# KiCad board sizif512ext.kicad_pcb (continued)
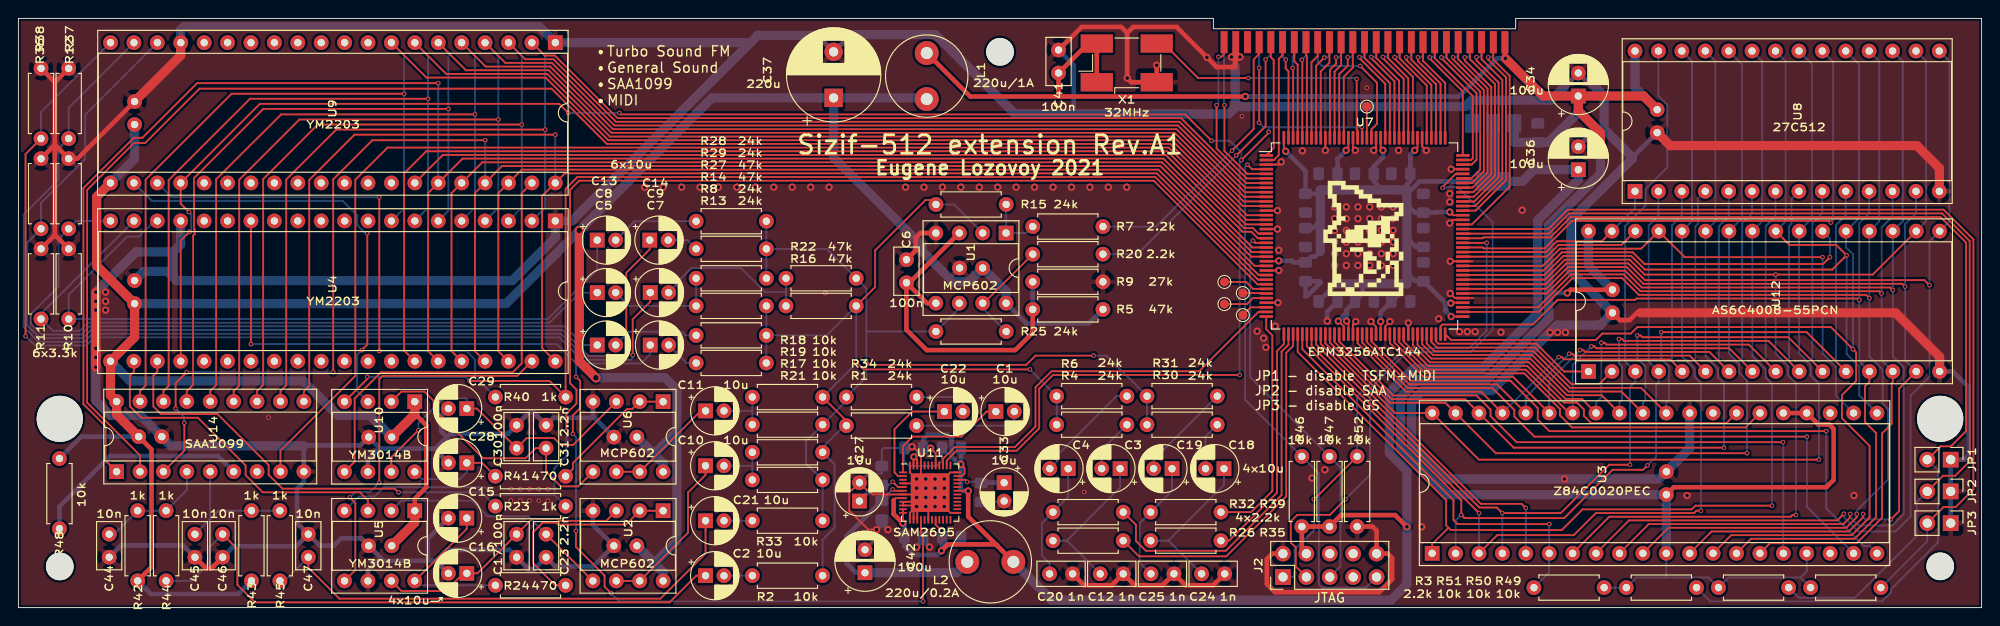
[diagram p0: board, top side]
## Routing (per net, layer and track width the routed paths; a pad name or vN(x,y) marks a point on that pad's centre or on a via; arc(x,y) is an arc through that point) (continued)
/GCH0: length 18.3
  Bottom w0.2: C12.1 113.78,7.27 R26.1 113.75,7.27 119.53,13.05 C3.1
/GCH1: length 12.9
  Bottom w0.2: C4.1 113.9,12.02 R32.1 111.05,9.17 111.05,5.63 111.88,4.8 C20.1
/GCH2: length 19.2
  Bottom w0.2: C24.1 124.78,7.27 R35.1 124.75,7.27 130.8,13.32 C18.1
/GCH3: length 13.4
  Bottom w0.2: C19.1 125.17,12.69 R39.1 121.65,9.17 121.65,4.9 C25.1
/GCLK: length 45.2
  Top w0.2: U7.41 139.3,28.07 155.7,11.67 155.7,9.52 156.15,9.07 v2(166.1,9.07)
  Bottom w0.2: R3.2 166.09,3.83 U3.6 166.09,9.06 v2(166.1,9.07)
/GD0: length 101.8
  Top w0.2: U3.14 187.98,7.47 199.22,7.47 201.55,9.8 201.55,18.97 200.35,20.17 200.35,24.04 200.83,24.52 U12.13 ; U7.71 154.3,30.55 154.5,30.75 164.33,30.75 167,33.42 175.39,33.42 175.53,33.57 199.56,33.57 v2(199.73,33.4)
  Bottom w0.2: U8.11 200.8,42.83 199.73,41.76 v2(199.73,33.4) ; U12.13 199.73,26.75 v2(199.73,33.4) ; v2(199.73,33.4) 199.73,32.98
/GD1: length 99.6
  Top w0.2: U12.14 203.37,24.52 203.25,24.4 203.25,19.97 202.2,18.92 202.2,9.75 199.44,7 190.05,7 U3.15 ; U7.75 164.88,32.62 168.45,36.19 174.16,36.19 175.98,34.37 201.9,34.37 v2(202.15,34.12)
  Bottom w0.2: U12.14 202.15,26.87 v2(202.15,34.12) 202.15,41.3 203.34,42.49 U8.12
/GD2: length 111.9
  Top w0.2: U7.79 165.75,34.62 168.12,36.99 174.49,36.99 176.31,35.17 204.4,35.17 v2(204.7,34.87) ; v2(203.15,9.57) 204.05,10.47 204.05,23.79 U12.15 ; v2(200.15,10.17) 200.15,9.82 198.6,8.27 183.7,8.27 U3.12
  Bottom w0.2: v2(200.15,10.17) 200.15,9.82 200.4,9.57 v2(203.15,9.57) ; U12.15 204.7,26.86 v2(204.7,34.87) 204.7,41.65 205.88,42.83 U8.13
/GD3: length 142.9
  Top w0.2: v2(207.35,35.02) 206.8,35.57 176.48,35.57 174.66,37.39 167.96,37.39 165.69,35.12 U7.80 ; U3.8 174.74,9.47 197.33,9.47 v2(198.05,10.19)
  Bottom w0.2: U8.15 209.52,59.36 209.52,41.96 U12.17 207.35,39.79 v2(207.35,35.02) 207.35,25.07 205.3,23.02 205.3,9.92 203.65,8.27 199.61,8.27 198.05,9.83 v2(198.05,10.19)
/GD4: length 126.2
  Top w0.2: v2(192.85,10.07) 192.5,10.07 192.3,9.87 172.6,9.87 U3.7 ; U7.81 165.62,35.62 167.79,37.79 174.82,37.79 176.44,36.17 v2(190.65,36.17) 201.19,36.17 U12.18
  Bottom w0.2: U12.18 206.98,41.96 206.98,59.36 U8.16 ; v2(192.85,10.07) 192.85,24.38 192,25.23 192,26.29 190.65,27.64 v2(190.65,36.17)
/GD5: length 134.3
  Top w0.2: v2(203.37,34.49) 203.09,34.77 176.15,34.77 174.33,36.59 168.29,36.59 165.82,34.12 U7.78 ; v2(198.75,10.17) 198.75,9.82 198,9.07 176.88,9.07 U3.9
  Bottom w0.2: v2(198.75,10.17) 198.75,9.82 199.65,8.92 203.31,8.92 204.55,10.16 204.55,26.1 203.37,27.28 v2(203.37,34.49) U12.19 204.44,41.96 204.44,59.36 U8.17
/GD6: length 125.1
  Top w0.2: U3.10 179.02,8.67 198.3,8.67 199.45,9.82 v2(199.45,10.17) ; U7.74 164.95,32.12 168.62,35.79 174,35.79 175.82,33.97 200.48,33.97 v2(200.83,33.62)
  Bottom w0.2: U8.18 201.9,59.36 201.9,41.96 U12.20 v2(200.83,33.62) 200.83,33.27 200.83,27.28 202.27,25.84 202.27,22.14 202.85,21.56 202.85,13.92 199.45,10.52 v2(199.45,10.17)
/GD7: length 118.9
  Top w0.2: U7.72 155.44,29.07 171.15,29.07 171.85,29.77 174.95,29.77 175.65,30.47 196.65,30.47 v2(199.05,28.07) 199.39,27.73 199.39,24.63 197.85,23.09 197.85,20.57 200.85,17.57 200.85,9.8 198.92,7.87 185.84,7.87 U3.13
  Bottom w0.2: U8.19 199.7,59.02 199.7,42.3 U12.21 198.29,39.14 199.05,38.38 v2(199.05,28.07)
/GDAC0: length 39
  Top w0.2: R26.2 121.57,5.57 131.05,5.57 137.55,12.07 137.55,27.67 138.3,28.42 U7.39
/GDAC1: length 40.2
  Top w0.2: U7.38 137.8,28.56 137.05,27.81 137.05,12.22 131,6.17 122.32,6.17 121.25,7.24 121.25,8.99 R32.2
/GDAC2: length 25.8
  Top w0.2: U7.37 137.3,28.62 136.55,27.87 136.55,12.47 131.35,7.27 R35.2
/GDAC3: length 25.8
  Top w0.2: R39.2 133.75,10.37 136.05,12.67 136.05,29.57 135.39,30.23 U7.36
/GMA15: length 22.5
  Top w0.2: U7.87 165.75,38.62 166.92,39.79 171.79,39.79 U12.31
  Bottom w0.2: U8.1 175.4,43.4 U12.31
/GMA16: length 22.9
  Top w0.2: U7.69 153.3,28.85 153.91,28.25 164.54,28.25 168.52,24.27 171.51,24.27 U12.2
/GMA17: length 18.7
  Top w0.2: U12.1 167.7,25.65 164.68,28.67 154.05,28.67 153.8,28.92 U7.70
/GMA18: length 19.9
  Top w0.2: U12.30 173.93,39.39 167.09,39.39 165.82,38.12 157.55,38.12 U7.86
/MIDI_CLK: length 44.9
  Top w0.2: U11.39 100.32,16.17 101.59,17.44 108.12,17.44 110.35,19.67 110.35,23.94 112.08,25.67 128.1,25.67 134.55,32.12 U7.35
/MIDI_IN: length 119.9
  Top w0.2: v2(60.15,18.87) 60.15,20.87 60.95,21.67 60.95,24.62 v2(60.5,25.07) ; U11.16 97.92,8.14 98.15,7.91 v2(98.15,0.67) ; v2(60.49,8.33) 60.49,6.59 63.6,3.48 63.6,2.27 v2(64.3,1.57) ; U4.14 25.23,28.63 v2(25.23,28.62)
  Bottom w0.2: v2(60.49,8.33) 60.49,18.53 v2(60.15,18.87) ; v2(25.23,28.62) 58.4,28.62 60.5,26.52 v2(60.5,25.07) ; v2(64.3,1.57) 65.2,0.67 v2(98.15,0.67)
/MIDI_L: length 14.5
  Top w0.2: C1.1 105.05,21.3 102.33,18.57 97.01,18.57 95.97,17.53 U11.1
/MIDI_R: length 12
  Top w0.2: U11.2 95.44,14.29 95.05,14.68 95.05,19.37 96.97,21.3 C22.1
/MIX_L: length 30.4
  Top w0.2: J1.44 134.62,60.14 134.03,59.55 134.03,51.99 v2(131.67,49.63)
  Bottom w0.2: v2(131.67,49.63) 123.42,41.39 R7.1
/MIX_R: length 32.8
  Top w0.2: v2(132.14,49.11) 135.32,52.3 v2(135.32,59.54)
  Bottom w0.2: v2(132.14,49.11) 121.41,38.39 R20.1 ; J1.41 135.89,60.11 v2(135.32,59.54)
/SAA_CLK: length 138.8
  Top w0.2: U14.8 28.43,17.05 36.55,25.17 36.55,46.47 40.05,49.97 124.81,49.97 133.16,41.62 U7.16
/SAA_L: length 68.2
  Top w0.2: C2.1 73.55,3.47 70.65,0.57 25.65,0.57 23.75,2.47 23.75,6.37 C46.1
  Bottom w0.2: C46.1 20.6,6.42 20.6,4.72 18.79,2.91 R44.2
/SAA_R: length 55.4
  Top w0.2: C47.1 31.45,4.34 34.82,0.97 69.65,0.97 74.55,5.87 C21.1
  Bottom w0.2: C47.1 28.89,2.91 R45.2
/TCK: length 52.7
  Top w0.2: R52.1 140.6,11.77 v2(140.55,11.77) ; U7.89 v2(159.3,39.62)
  Bottom w0.2: v2(140.55,11.77) 140.55,8.37 138.45,6.27 138.45,3.52 138.25,3.32 J2.1 ; v2(159.3,39.62) 159.3,30.09 157.38,28.17 150.48,28.17 145.25,22.94 R52.1
/TDI: length 58.1
  Top w0.2: v2(133.35,48.11) 133.84,47.62 U7.4
  Bottom w0.2: v2(133.35,48.11) 133.1,47.86 133.1,22.57 R46.1 141.1,14.57 141.1,2.52 141.45,2.17 146.21,2.17 J2.9
/TDO: length 64.4
  Top w0.2: v2(143.98,11.77) 142.28,10.07 138.75,10.07 138.05,9.37 138.05,7.07 138.59,6.53 138.59,4.47 J2.3 ; U7.104 155.94,47.12 154.51,45.69 v2(154.51,45.6)
  Bottom w0.2: v2(154.51,45.6) 154.89,45.6 154.96,45.67 156.15,45.67 159.95,41.87 159.95,30.17 157.55,27.77 150.65,27.77 146.65,23.77 146.65,14.44 v2(143.98,11.77)
/TMS: length 42.7
  Top w0.2: v2(133.95,39.87) 134.2,39.62 U7.20
  Bottom w0.2: J2.5 143.43,4.47 143.43,15.24 R47.1 133.65,25.02 133.65,39.57 v2(133.95,39.87)
/YM_M: length 107.4
  Top w0.2: U7.25 134.13,37.12 123.68,47.57 54.61,47.57 U9.38 52.07,45.03 52.07,27.86 U4.38
/~{ARD}: length 112.5
  Top w0.2: U4.36 46.99,27.86 46.99,45.03 U9.36 50.33,48.37 124.07,48.37 133.82,38.62 U7.22
/~{AWR}: length 201.6
  Top w0.2: v2(45.55,56.97) 19.38,56.97 13.45,51.04 12.52,51.04 7.05,45.57 7.05,22.1 9.45,19.7 9.45,15.97 U14.1 ; U7.21 133.88,39.12 124.23,48.77 48.19,48.77 U9.35 44.45,45.03 44.45,27.86 U4.35
  Bottom w0.2: U9.35 v2(45.55,56.97)
/~{BUSACK}: length 23.2
  Top w0.2: J1.4 160.02,59.54 161.8,57.76 161.8,45.72 157.7,41.62 U7.93
/~{BUSRQ}: length 21.3
  Top w0.2: U7.97 158.03,43.62 161,46.59 161,57.32 158.75,59.57 J1.6
/~{GINT}: length 66
  Top w0.2: U7.49 143.3,28.91 149.17,23.05 158.19,23.05 159.72,21.51 159.72,20.79 162.55,17.97 v2(191.45,17.97)
  Bottom w0.2: v2(191.45,17.97) 191.49,17.93 U3.16
/~{GIORQ}: length 70.8
  Top w0.2: v2(196.15,19.17) 166.1,19.17 164.85,20.42 164.85,21.67 161.87,24.65 151.07,24.65 146.8,28.92 U7.56
  Bottom w0.2: U3.20 200.85,6.69 200.23,6.69 196.15,10.77 v2(196.15,19.17)
/~{GM1}: length 41.4
  Top w0.2: U7.63 150.3,28.92 152.97,26.25 163.71,26.25 167.69,22.27 169.1,22.27 169.85,21.52 169.85,20.83 170.64,20.03 185.31,20.03 U3.27
/~{GMREQ}: length 68.6
  Top w0.2: U7.54 145.8,28.79 150.74,23.85 159.93,23.85 162.3,21.47 162.3,20.76 164.49,18.57 v2(194.05,18.57)
  Bottom w0.2: v2(194.05,18.57) 194.05,10.96 U3.19
/~{GRAM}: length 44.6
  Top w0.2: U7.83 165.49,36.62 167.46,38.59 175.16,38.59 176.43,37.32 195.8,37.32 v2(196.55,38.07)
  Bottom w0.2: U12.22 196.55,40.09 v2(196.55,38.07)
/~{GRD}: length 91.5
  Top w0.2: U7.82 165.55,36.12 167.62,38.19 174.99,38.19 176.46,36.72 196.8,36.72 v2(198.35,38.27) 197.23,39.39 192.17,39.39 U12.24
  Bottom w0.2: U8.22 191.74,59.36 191.74,41.96 U12.24 ; v2(198.35,38.27) 198.35,27.56 199.73,26.18 199.73,23.06 U3.21
/~{GRESET}: length 45.4
  Top w0.2: U7.61 149.3,28.79 152.64,25.45 163.38,25.45 167.25,21.58 167.25,20.89 168.57,19.57 187.39,19.57 U3.26
/~{GROM}: length 60.5
  Top w0.2: v2(196.65,41.82) 196.45,42.02 168.58,42.02 165.58,39.02 158.99,39.02 158.89,39.12 U7.88
  Bottom w0.2: v2(196.65,41.82) 196.9,42.07 196.9,59.28 U8.20
/~{GWR}: length 60.1
  Top w0.2: v2(195.75,38.07) 180.79,38.07 U12.29 176.07,38.99 167.25,38.99 165.38,37.12 U7.84
  Bottom w0.2: v2(195.75,38.07) 195.75,27.62 197.19,26.18 197.19,23.06 U3.22
/~{HALT}: length 22.3
  Top w0.2: U7.96 158.1,43.12 161.4,46.42 161.4,57.6 159.48,59.52 159.48,59.77 v2(159.47,59.77)
  Bottom w0.2: J1.3 160.02,60.02 159.77,59.77 v2(159.47,59.77)
/~{INT}: length 10.7
  Top w0.2: v2(137.5,59.52) 137.5,58.56 137.8,58.26 U7.143
  Bottom w0.2: v2(137.5,59.52) 137.16,59.86 J1.39
/~{IORQGE}: length 11.6
  Top w0.2: J1.20 149.86,59.66 152.8,56.72 U7.113
/~{IORQ}: length 15.5
  Top w0.2: U7.107 157.62,48.62 157.8,48.8 157.8,55.55 153.67,59.68 J1.14
/~{M1}: length 11.5
  Top w0.2: J1.26 146.05,59.71 148.8,56.96 U7.121
/~{MREQ}: length 10.8
  Top w0.2: J1.28 144.78,58.65 143.8,57.67 U7.131
/~{NMI}: length 13.6
  Top w0.2: U7.1 136.2,49.93 136.2,59.47 135.89,59.78 J1.42 135.89,60.59
/~{RD}: length 11.5
  Top w0.2: U7.111 153.8,56.85 151.13,59.52 J1.18
/~{RFSH}: length 12
  Top w0.2: v2(145.5,59.79) 145.5,59.7 148.3,56.9 U7.122
  Bottom w0.2: v2(145.5,59.79) 145.82,59.79 146.05,60.02 J1.25
/~{ROMCSB}: length 16.5
  Top w0.2: U7.106 157.68,48.12 158.2,48.64 158.2,55.88 154.39,59.69 v2(154.39,59.77)
  Bottom w0.2: J1.11 154.94,60.02 154.69,59.77 v2(154.39,59.77)
/~{RST}: length 231.3
  Top w0.2: v2(134.62,58.64) 134.62,52.69 v2(134.6,52.67) ; v2(145.75,52.2) 145.8,52.15 U7.127 ; v2(129.45,50.72) 126.6,53.57 65.38,53.57 v2(65.21,53.73) ; U11.38 100.72,15.97 101.8,17.04 108.32,17.04 110.75,19.47 110.75,23.77 112.25,25.27 v2(132.5,25.27) ; v2(18.5,42.97) 17.61,43.86 U9.24 26.2,54.72 58.67,54.72 v2(59.66,53.73) ; U4.24 17.61,39.87 v2(18.56,40.82) ; v2(132.69,48.61) 135.65,51.57 v2(135.65,51.67)
  Bottom w0.2: 135.65,52.17 145.72,52.17 v2(145.75,52.2) ; 135.65,52.17 v2(135.65,51.67) ; 135.65,52.17 135.1,52.17 v2(134.6,52.67) ; v2(132.69,48.61) 132.69,49.45 131.41,50.72 v2(129.45,50.72) ; v2(132.69,48.61) 132.5,48.42 v2(132.5,25.27) ; v2(132.69,48.61) 132.75,48.55 ; v2(134.62,58.64) J1.43 134.62,60.42 ; v2(18.56,40.82) 18.75,41.01 18.75,42.72 v2(18.5,42.97) ; v2(65.21,53.73) 59.66,53.73 v2(59.66,53.73)
/~{SAA_CS}: length 171.4
  Top w0.2: U7.15 133.23,42.12 124.98,50.37 63.84,50.37 57.84,56.37 19.65,56.37 13.75,50.47 12.55,50.47 7.45,45.37 7.45,22.27 13.19,16.53 U14.2
/~{WAIT}: length 20.1
  Top w0.2: J1.8 157.48,59.59 160.2,56.87 160.2,46.92 157.9,44.62 U7.99
/~{WR}: length 11.4
  Top w0.2: J1.16 152.4,59.38 154.8,56.98 U7.109
/~{YM1_CS}: length 119.1
  Top w0.2: U7.18 134.54,40.62 133.94,41.22 133,41.22 124.65,49.57 44.25,49.57 41.85,47.17 41.85,27.92 U4.34
/~{YM2_CS}: length 97.4
  Top w0.2: U7.19 134.47,40.12 133.77,40.82 132.83,40.82 124.48,49.17 46.05,49.17 U9.34
Net-(C1-Pad2): length 11.9
  Bottom w0.2: R1.2 107.66,19.77 108.05,20.16 C1.2
Net-(C2-Pad2): length 3.1
  Bottom w0.2: C2.2 R2.2
Net-(C3-Pad2): length 5.9
  Bottom w0.2: R4.2 117.53,17.13 C3.2
Net-(C4-Pad2): length 12
  Bottom w0.2: C4.2 112.7,15.89 112.7,16.53 119.14,22.97 R6.2
Net-(C5-Pad2): length 9.5
  Bottom w0.2: C5.2 66.25,29.97 72,29.97 72.4,29.57 R8.2
Net-(C6-Pad2): length 38.1
  Top w0.5: R5.1 110.05,29.87 108.15,27.97 98.55,27.97 96.35,30.17 C6.2 ; C6.2 98.57,33.07 U1.5 ; C6.2 96.68,35.29 U1.3
  Bottom w0.5: R5.1 R9.1
Net-(C7-Pad2): length 3.8
  Bottom w0.2: C7.2 72.5,26.57 R13.2
Net-(C8-Pad2): length 12.3
  Bottom w0.2: R27.2 R14.2 66.25,32.77 C8.2
Net-(C9-Pad2): length 18
  Bottom w0.2: R16.2 83.28,34.2 ; C9.2 71.35,35.02 71.35,35.22 73,36.87 78.42,36.87 81.02,34.27 83.21,34.27 83.28,34.2 ; 83.28,34.2 R22.2
Net-(C10-Pad2): length 6.1
  Bottom w0.2: 79.63,15.39 R17.2 ; 79.63,15.39 R21.2 ; 79.63,15.39 79.62,15.4 C10.2
Net-(C11-Pad2): length 6.1
  Bottom w0.2: 79.63,21.29 R19.2 ; 79.63,21.29 79.55,21.37 C11.2 ; 79.63,21.29 R18.2
Net-(C13-Pad2): length 9.6
  Bottom w0.2: C13.2 66.85,41.97 R28.2
Net-(C14-Pad2): length 3.4
  Bottom w0.2: C14.2 72.58,39.92 R29.2
Net-(C15-Pad1): length 18.1
  Top w0.2: U5.8 48.65,8.55 C15.1
  Bottom w0.2: R24.2 43.48,2.42 U5.8
Net-(C16-Pad1): length 28.6
  Top w0.2: U5.7 41.56,1.8 46.36,1.8 48.28,3.72 C16.1 49.8,3.72 C17.1 55.7,9.62 58.5,9.62 58.7,9.42 63.77,9.42 U2.3
Net-(C18-Pad2): length 5.3
  Bottom w0.2: C18.2 128.8,18.6 R30.2
Net-(C19-Pad2): length 10.7
  Bottom w0.2: R31.2 123.17,16.07 C19.2
Net-(C21-Pad2): length 3.1
  Bottom w0.2: C21.2 R33.2
Net-(C22-Pad2): length 6.3
  Bottom w0.2: R34.2 102.02,22.87 102.46,22.43 C22.2
Net-(C23-Pad1): length 25.9
  Top w0.2: U2.5 62.32,2.9 C23.1
  Bottom w0.2: C23.1 55.3,9.92 50.9,9.92 49.2,11.62 41.56,11.62 U5.2
Net-(C26-Pad1): length 5.8
  Top w0.2: U11.5 95.43,13.09 v2(94.85,13.67)
  Bottom w0.2: v2(94.85,13.67) 94.5,13.32 C26.1
  Bottom w0.5: C26.1 93,13.32 C27.1
Net-(C28-Pad1): length 11
  Top w0.2: C28.1 50.3,15.72 R41.2
  Bottom w0.2: C28.1 48.65,14.72 47.88,13.95 43.8,13.95 U10.8
Net-(C29-Pad1): length 34.6
  Top w0.2: v2(43.4,19.27) 40.46,16.33 U10.7 ; U6.3 60.17,17.67 58.85,17.67 58.1,18.42 55.15,18.42 C30.1 49.75,21.62 C29.1
  Bottom w0.2: v2(43.4,19.27) 43.4,20.02 46.1,22.72 48.55,22.72 48.65,22.62 C29.1
Net-(C31-Pad1): length 30.2
  Top w0.2: U6.5 60.75,13.17 58.84,13.17 57.25,14.76 C31.1 56.12,17.32 55.02,16.22 50.42,16.22 45.05,21.59 45.05,22.46 44.04,23.47 41.56,23.47 U10.2
Net-(C32-Pad1): length 5.3
  Top w0.2: U11.34 102.73,13.89 v2(102.95,13.67)
  Bottom w0.2: v2(102.95,13.67) 104.3,13.67 C32.1
  Bottom w0.5: C32.1 104.5,13.57 C33.1
Net-(C44-Pad1): length 12.4
  Bottom w0.2: C44.1 10.38,7.97 R42.1 R44.1 18.27,12.78 U14.4
Net-(C45-Pad1): length 15.9
  Bottom w0.2: 20.81,9.63 21.71,10.53 R43.1 ; 20.81,9.63 C45.1 ; 20.81,9.63 U14.5 ; R43.1 24.75,10.53 ; R43.1 R45.1
Net-(R1-Pad1): length 99.7
  Top w0.2: R16.1 92.95,34.82 92.95,38.8 98.42,44.27 99.55,44.27 ; R18.1 89.63,20.49 89.63,19.77 ; v2(109.75,25.87) 91.7,25.87 v2(90.9,26.67)
  Bottom w0.2: R15.1 101.52,43.79 U1.2 ; R8.1 R14.1 ; R8.1 87.7,29.57 R16.1 90.9,26.62 v2(90.9,26.67) 90.9,26.52 R18.1 ; R8.1 R13.1 ; R2.1 87.25,7.37 88.55,8.67 88.55,15.57 R17.1 87.25,17.39 89.63,19.77 ; R4.1 R6.1 v2(109.75,25.87)
Net-(R15-Pad2): length 6.3
  Bottom w0.2: R15.2 107.17,40.7 U1.1 109.35,40.69 R7.2
Net-(R19-Pad1): length 95.5
  Top w0.2: v2(116.65,27.37) 110.35,27.37 109.35,26.37 92.35,26.37 v2(91.95,26.77)
  Bottom w0.2: 92,30.02 92,25.04 R34.1 89.83,22.45 R19.1 ; 92,30.02 92,34.67 R22.1 87.7,38.97 R29.1 ; 92,30.02 92.03,29.99 R25.1 102.08,32.52 U1.6 ; 87.25,20.17 R19.1 ; R19.1 85.45,18.07 85.45,15.67 R21.1 R33.1 ; R29.1 R28.1 ; R29.1 R27.1 ; v2(116.65,27.37) 118.05,27.37 R31.1 R30.1
Net-(R20-Pad2): length 11.8
  Top w0.2: R20.2 104.73,33.07 U1.7
  Bottom w0.2: R25.2 104.62,32.54 U1.7
Net-(R23-Pad1): length 47.3
  Top w0.2: v2(41.24,12.52) 40.84,12.92 28.65,12.92 27.15,14.42 27.15,15.48 21.61,21.02 15.47,21.02 14.63,21.86 14.63,25.19 15.07,25.63 U4.23
  Bottom w0.2: v2(41.24,12.52) 50.25,12.52 R23.1
Net-(R24-Pad1): length 23.1
  Top w0.2: U2.1 U2.2 65.91,9.02 58.53,9.02 58.33,9.22 56.87,9.22 55.85,8.2 55.85,4.81 58.24,2.42 R24.1
Net-(R40-Pad1): length 57.2
  Top w0.2: v2(39.15,44.57) v2(39.15,27.87)
  Bottom w0.2: v2(39.15,27.87) 48.61,27.87 49.53,26.95 49.53,25.09 R40.1 ; U9.23 16.63,44.57 v2(39.15,44.57)
Net-(R41-Pad1): length 14.3
  Top w0.2: U6.1 U6.2 66.61,21.57 66.02,21.57 60.17,15.72 60.17,15.07 R41.1
Net-(R48-Pad1): length 24.3
  Bottom w0.5: U14.6 21.65,16.47 9.94,16.47 4.45,10.98 R48.1
Net-(TP1-Pad1): length 3.4
  Top w0.2: TP1.1 U7.126
Net-(TP2-Pad1): length 4.8
  Top w0.2: U7.30 133.97,34.62 133.22,35.37 TP2.1
Net-(TP3-Pad1): length 2.6
  Top w0.2: U7.31 135.34,34.17 TP3.1
Net-(TP4-Pad1): length 4.8
  Top w0.2: TP4.1 133.3,32.97 133.95,33.62 U7.32
Net-(TP5-Pad1): length 2.9
  Top w0.2: U7.34 133.7,32.62 TP5.1
Net-(U4-Pad22): length 36.9
  Top w0.2: U4.22 12.53,25.63 12.09,25.19 12.09,21.86 13.33,20.62 19.47,20.62 24.65,15.44 24.65,14.38 26.51,12.52 37.05,12.52 37.92,11.65 U5.3
Net-(U4-Pad39): length 42.3
  Top w0.2: U4.39 54.12,25.17 39.51,25.17 39.15,24.81 v2(39.15,13.57) ; U5.5 36.55,4.07 36.55,11.37 v2(35.95,11.97)
  Bottom w0.2: v2(39.15,13.57) 38.15,12.57 36.55,12.57 v2(35.95,11.97)
Net-(U10-Pad3): length 47.4
  Top w0.2: v2(37.85,40.67) 37.85,28.57 v2(37.25,27.97)
  Bottom w0.2: v2(37.85,40.67) 37.63,40.67 36.75,41.55 36.75,42.61 35.19,44.17 14.49,44.17 U9.22 ; U10.3 36.75,23.54 36.75,27.47 v2(37.25,27.97)
Net-(U10-Pad5): length 48.3
  Top w0.2: 54.61,27.63 54.61,26.53 53.65,25.57 39.34,25.57 36.48,22.71 36.48,15.85 U10.5 ; 54.61,27.63 54.61,27.51 ; 54.61,27.63 54.61,45.03 U9.39

## Copper pours and planes (outline as drawn; the poured copper is in the pictures)
GND on Top: 0,-0.03 0,63.97 213,63.97 213,-0.03
GND on Bottom: 0,63.97 213,63.97 213,-0.03 0,-0.03

## Text on the board
B.Silkscreen: 12x100n
F.Silkscreen: JP1 - disable TSFM+MIDI / JP2 - disable SAA / JP3 - disable GS | •Turbo Sound FM / •General Sound / •SAA1099 / •MIDI | Eugene Lozovoy 2021 | Sizif-512 extension Rev.A1
